# Altium PCB HYDRA_V3_CAMERA.PcbDoc (part 1 of 2)
Units mm, origin at the board's own origin, x right, y up, seen from the top; angles counter-clockwise.
Board outline 50 x 45 mm, 4 copper layers (Top Layer, PWR, GND, Bottom Layer), stack 0.603 mm thick; 137 components, 97 nets, 553 pads, 115 vias.
Unrouted connection lines stored in the file: 170.
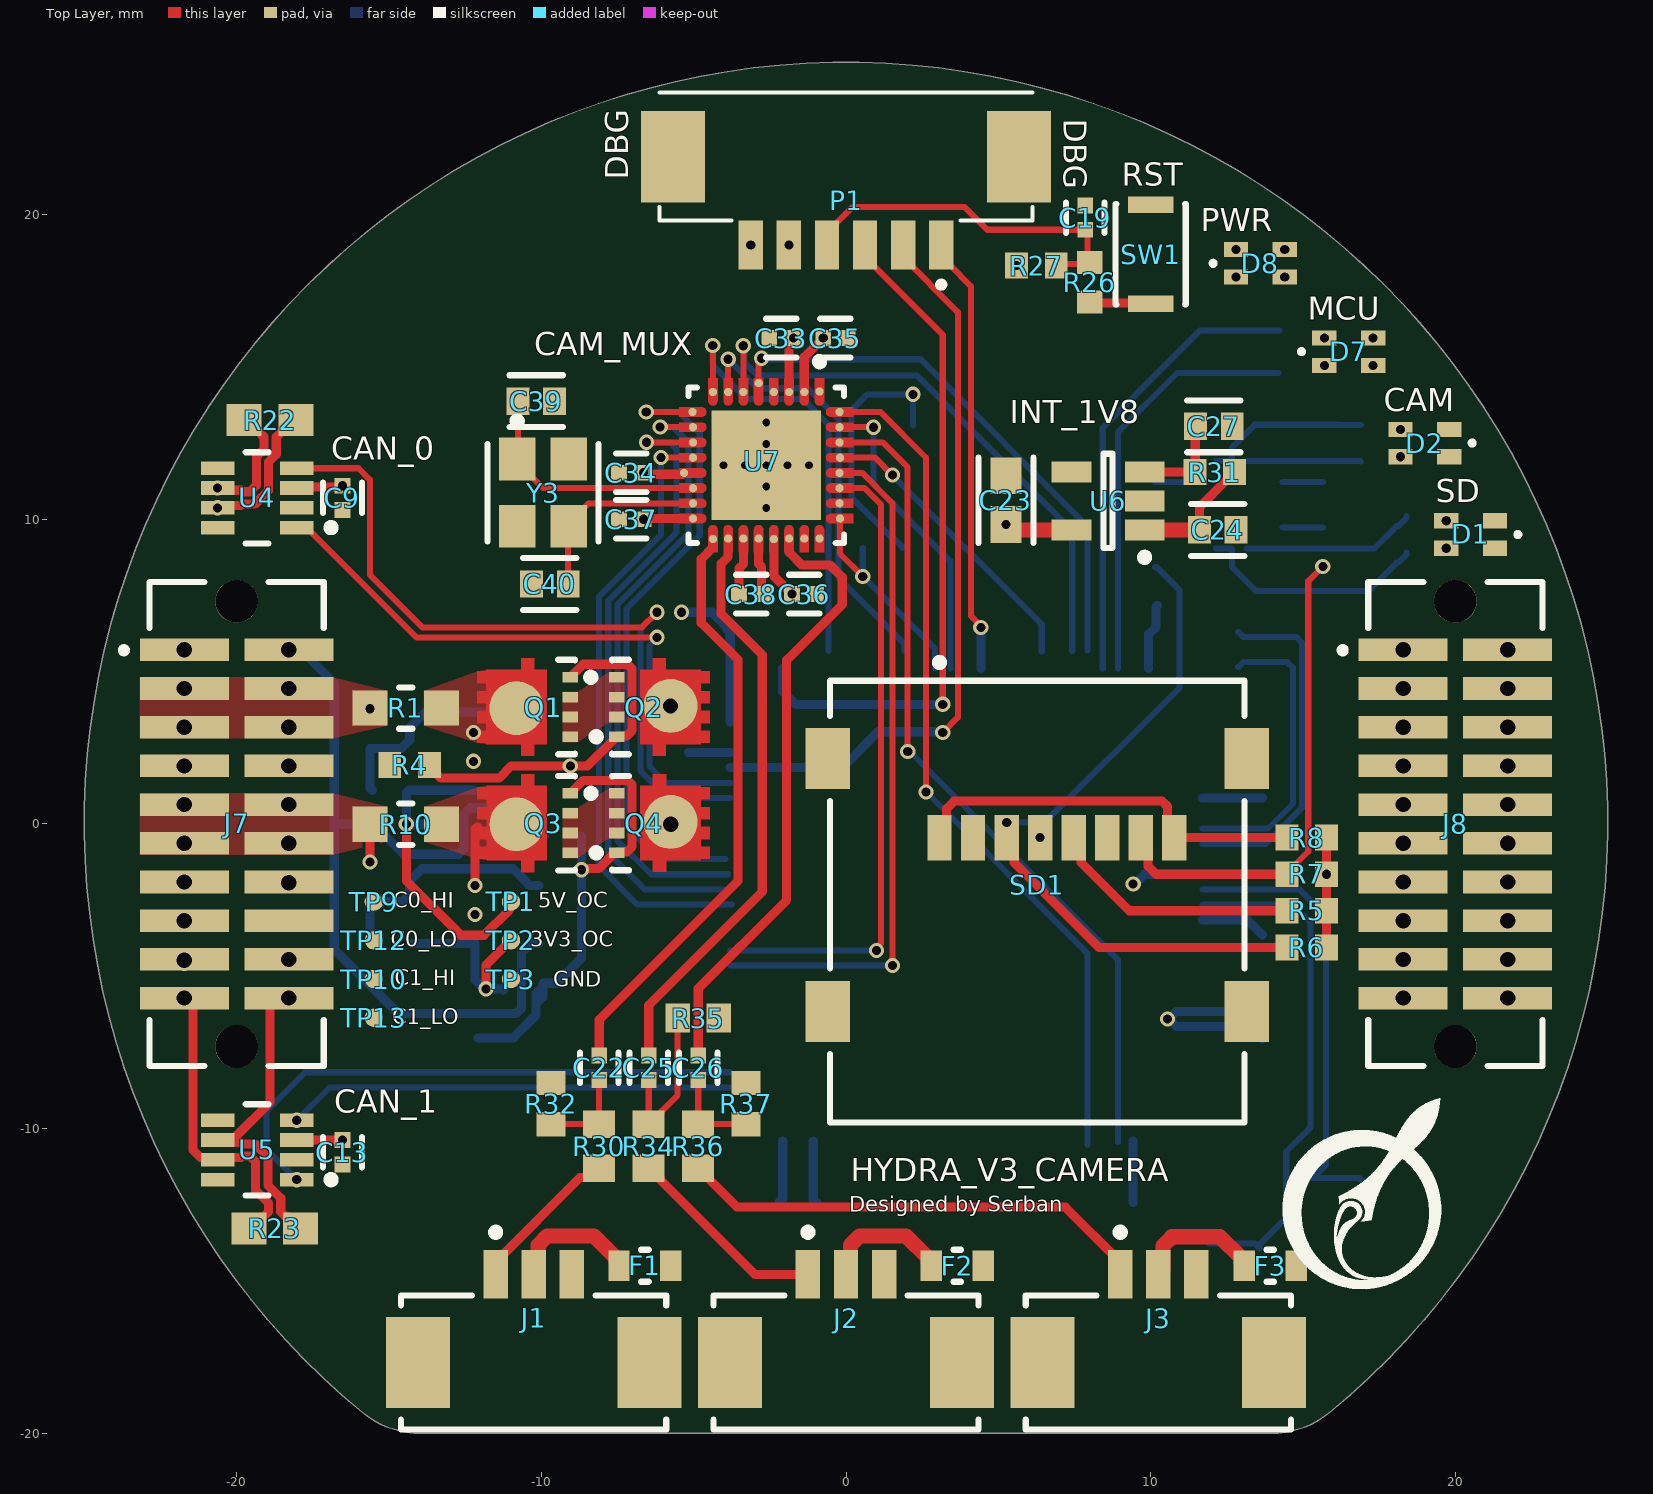
[diagram p0: Top Layer view]
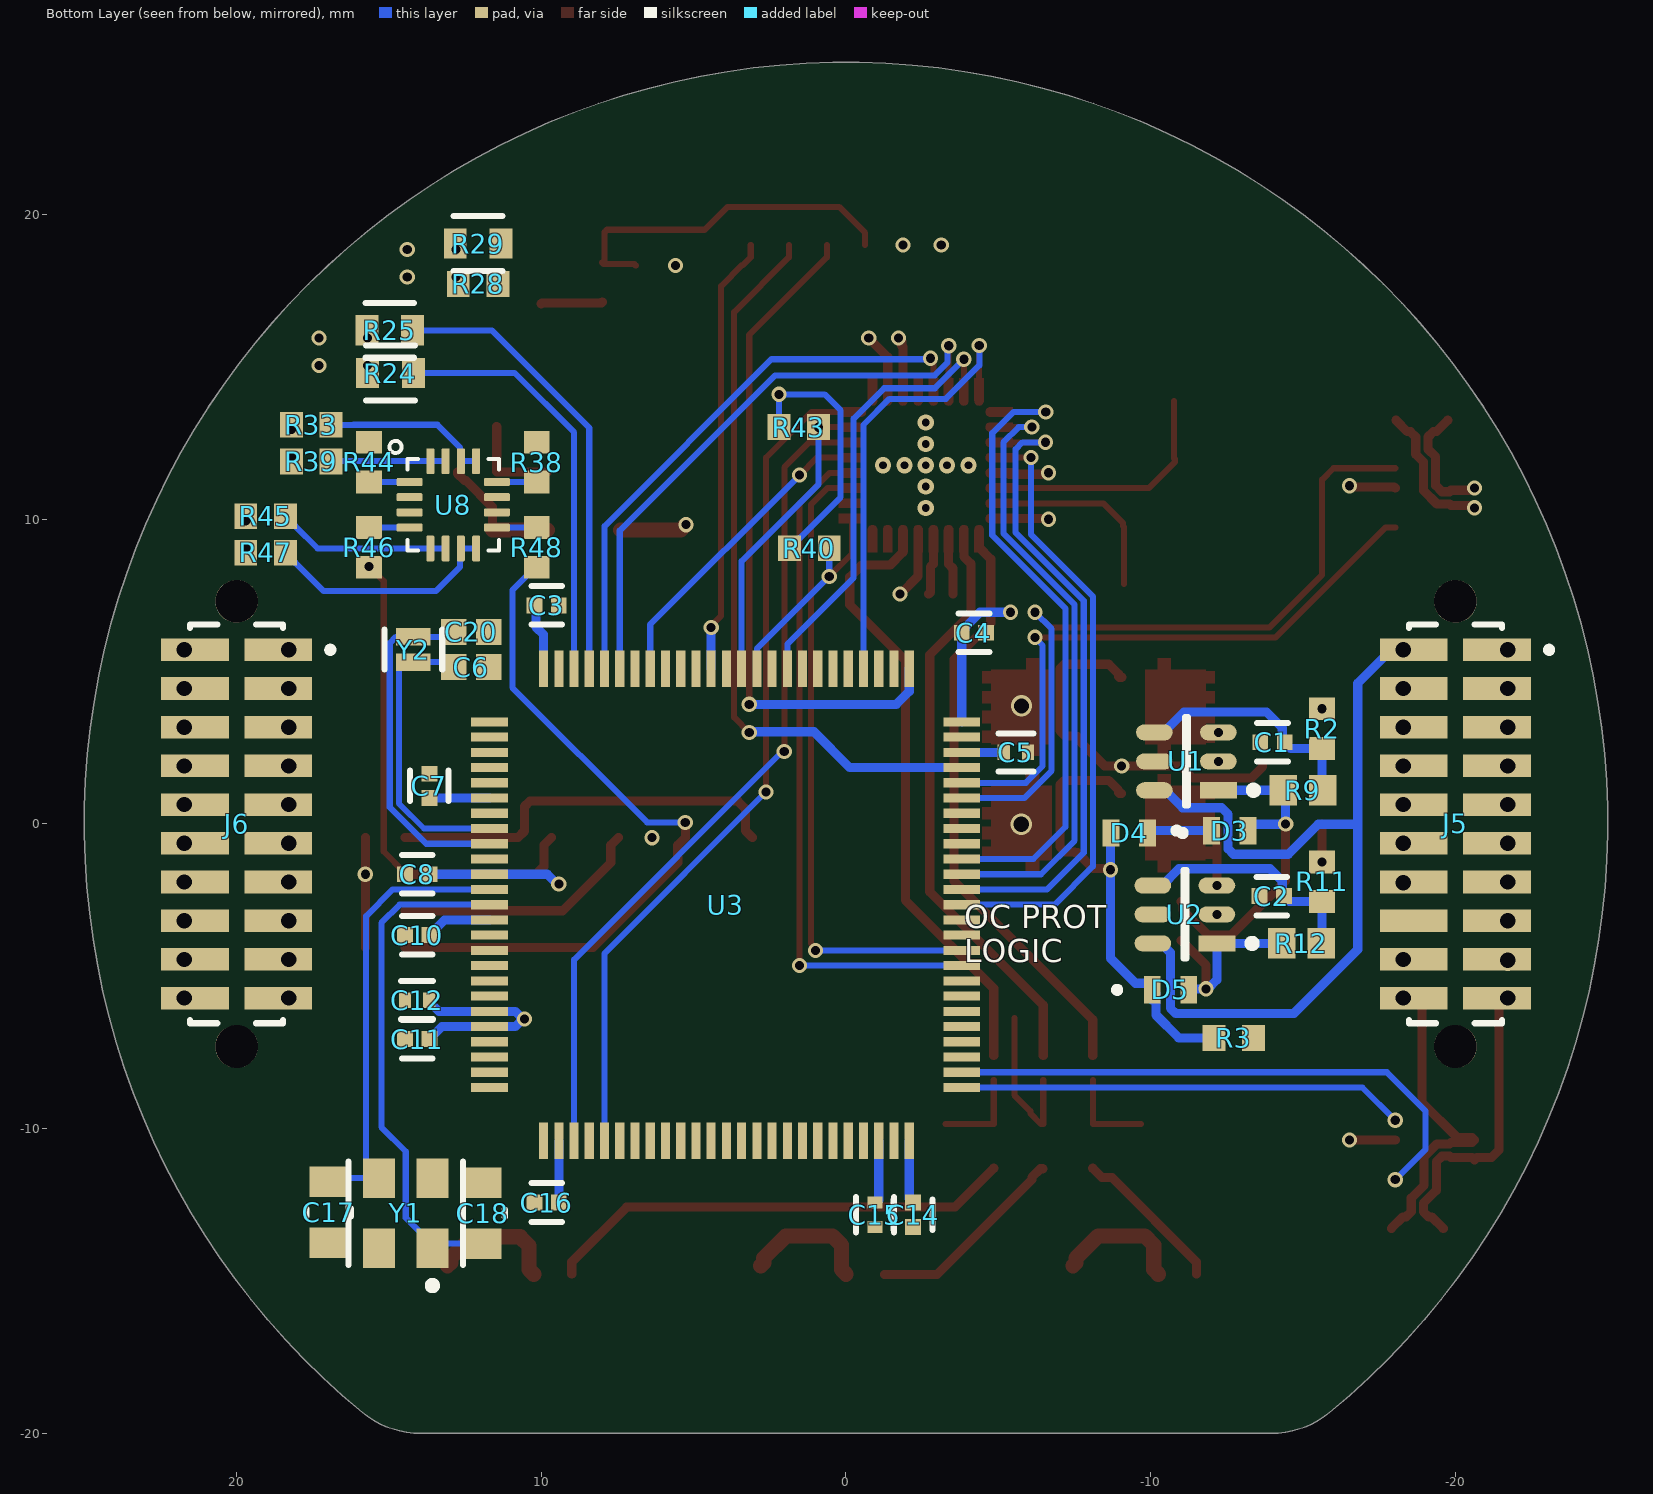
[diagram p1: Bottom Layer view, seen from below]
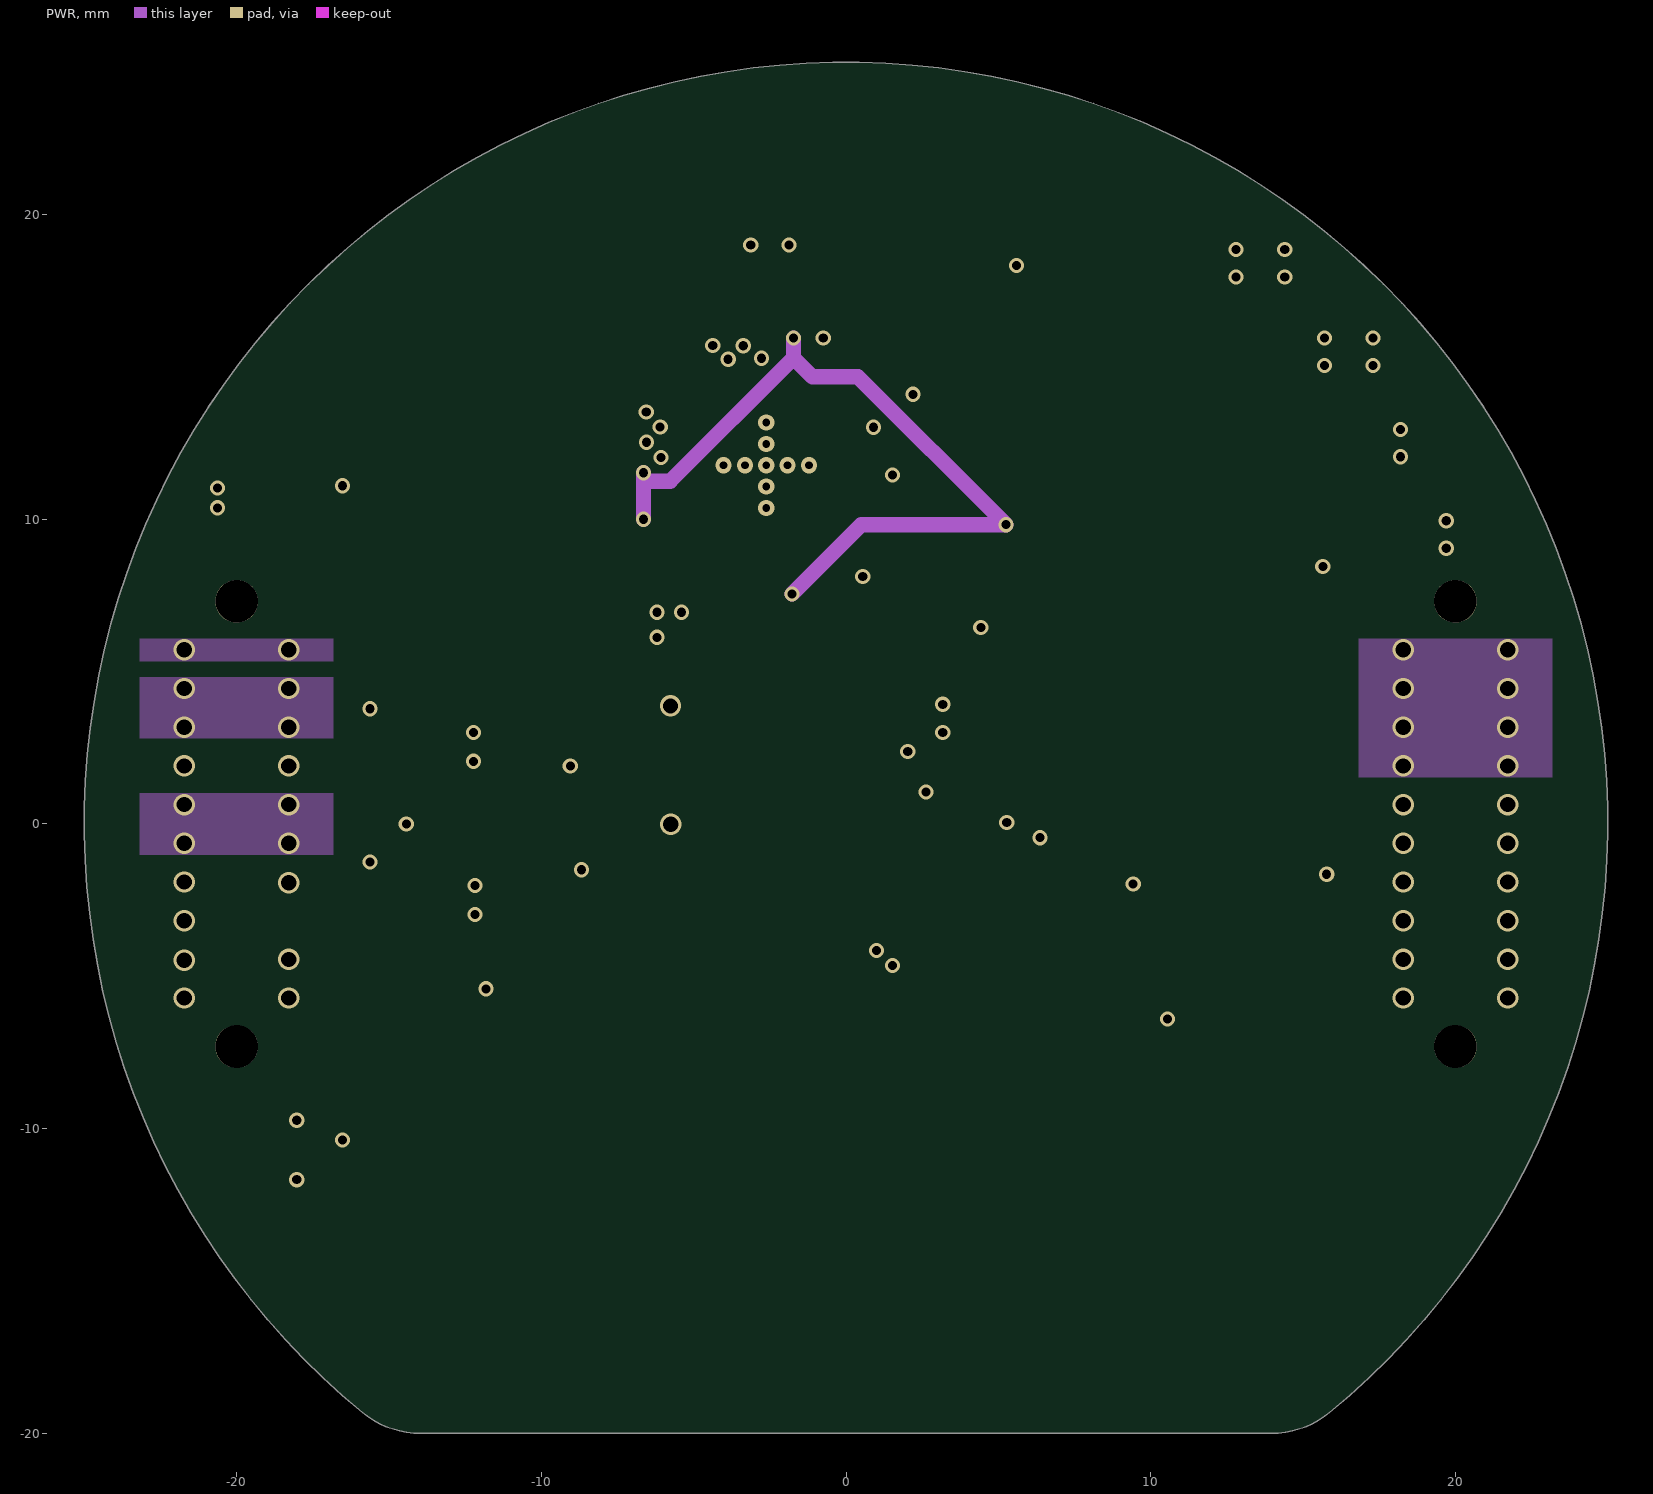
[diagram p2: PWR]

## Layer stack, top to bottom
Top Solder: solder mask 0.0102, Solder Resist, Dk 3.5
Top Layer: signal copper 0.0356
Dielectric 2: prepreg 0.0711, PP-006, Dk 4.1
PWR: signal copper 0.035
Dielectric 1: dielectric 0.32, FR-4, Dk 4.8
GND: signal copper 0.035
Dielectric 3: prepreg 0.0711, PP-006, Dk 4.1
Bottom Layer: signal copper 0.0356
Bottom Solder: solder mask 0.0102, Solder Resist, Dk 3.5

## Board outline
-15.888,-19.298 ccw(c-13.96,-17) -13.96,-20 13.96,-20 ccw(c13.96,-17) 15.888,-19.298 15.868,-19.318 ccw(c0,0)

## Design rules (kind name [scope] priority, off if disabled: settings)
BoardOutlineClearance [All] p1: gap=0.2 ignorepadtopadclearanceinfootprint=FALSE
Clearance [All] p1: gap=0.102 ignorepadtopadclearanceinfootprint=FALSE except(0.127: Arc-Via Track-Via SMDPad-Via THPad-Via Via-Via Via-Fill Via-Poly Via-Region Via-Text; 0.25: Arc-Hole Track-Hole SMDPad-Hole THPad-Hole Via-Hole Fill-Hole Poly-Hole Region-Hole Text-Hole)
ComponentClearance [All] p1: gap=0.102 collisioncheckmode=3 verticalgap=0.102 showdistances=TRUE
DiffPairsRouting [All] p1: maxlimit=0.102 minlimit=0.102 mostfreqgap=0.102 toplayer_minwidth=0.102 toplayer_maxwidth=1816.048 toplayer_prefwidth=0.102 midlayer1_minwidth=0.102 midlayer1_maxwidth=1816.048 midlayer1_prefwidth=0.102 midlayer2_minwidth=0.102 midlayer2_maxwidth=1816.048 midlayer2_prefwidth=0.102 bottomlayer_minwidth=0.102 bottomlayer_maxwidth=1816.048 bottomlayer_prefwidth=0.102 maxuncoupledlength=12.7
Height [All] p1: minheight=0 maxheight=1816.048 prefheight=12.7
HoleSize [All] p1: absolutevalues=TRUE maxlimit=6.3 minlimit=0.2 maxpercent=80.000 minpercent=20.000
HoleToHoleClearance [All] p1: gap=0.25 allowstackedmicrovias=FALSE
MatchedLengths "Pixel port" [InNetClass('PXL_PRT')] p1: tolerance=3 checknetsindiffpair=FALSE checkdiffpairvsdiffpair=TRUE checkxsignals=TRUE checkothers=TRUE usedelayunits=TRUE delaytolerance=100.000000
MinimumAnnularRing [All] p1: minimumring=0.076
MinimumSolderMaskSliver [All] p1: minsoldermaskwidth=0
PlaneClearance [All] p1: clearance=0.102
PlaneConnect PlaneConnectPowerPads [InPadClass('PowerPads')] p1: planeconnectstyle=Direct reliefexpansion=0.508 reliefentries=4 reliefconductorwidth=0.254 reliefairgap=0.254
PlaneConnect [All] p2: pad.planeconnectstyle=Relief pad.reliefexpansion=0.3 pad.reliefentries=4 pad.reliefconductorwidth=0.102 pad.reliefairgap=0.102 via.planeconnectstyle=Direct via.reliefexpansion=0.3 via.reliefentries=4 via.reliefconductorwidth=0.127 via.reliefairgap=0.127
PolygonConnect PolygonConnectPowerPads [All vs (InPadClass('PowerPads'))] p1: connectstyle=Direct reliefconductorwidth=0.254 reliefentries=4 polygonreliefangle="90 Angle" airgapwidth=0.254
PolygonConnect PolygonConnect_PWR [All vs InNetClass('PWR')] p2: connectstyle=Direct reliefconductorwidth=0.102 reliefentries=4 polygonreliefangle="90 Angle" airgapwidth=0.102
PolygonConnect PolygonConnect_STD [All vs InNetClass('STD')] p3: thpad.connectstyle=Relief thpad.reliefconductorwidth=0.102 thpad.reliefentries=4 thpad.polygonreliefangle="90 Angle" thpad.airgapwidth=0.102 smdpad.connectstyle=Relief smdpad.reliefconductorwidth=0.102 smdpad.reliefentries=4 smdpad.polygonreliefangle="90 Angle" smdpad.airgapwidth=0.102 via.connectstyle=Direct via.reliefconductorwidth=0.127 via.reliefentries=4 via.polygonreliefangle="90 Angle" via.airgapwidth=0.127
RoutingVias [All] p1: holewidth=0.2 width=0.45 viastyle="Through Hole" minholewidth=0.2 minwidth=0.45 maxholewidth=6.3 maxwidth=6.55
SilkToSilkClearance [All] p1: silktosilkclearance=0
SilkToSolderMaskClearance [IsPad] p1: minsilkscreentomaskgap=0.102 clearancetoexposedcopper=TRUE
SolderMaskExpansion [All] p1: expansion=0.075 istentingtop=FALSE
Width [All] p1: maxlimit=1816.048 minlimit=0.102 preferedwidth=0.102
20 further rules are at their usual default settings.

## Classes and differential pairs
component class SD: R5 R6 R7 R8 SD1
component class CAMERA_INTERFACE: C22 C23 C24 C25 C26 C27 C28 C29 C30 C31 C32 C33 C34 C35 C36 C37 C38 C39 C40 R30 R31 R32 R34 R35 R36 R37 R40 R43 TP17 U6 U7 Y3
component class OC_PROT: C1 C2 D3 D4 D5 Q1 Q2 Q3 Q4 R1 R2 R3 R4 R9 R10 R11 R12 TP1 TP2 TP3 U1 U2
component class MCU_PINOUT: C3 C4 C5 C6 C7 C8 C9 C10 C11 C12 C13 C14 C15 C16 C17 C18 C19 C20 D1 D2 D7 D8 P1 R13 R14 R15 R16 R17 R18 R19 R20 R21 R22 R23 R24 R25 R26 R27 R28 R29 R33 R38 R39 R44 R45 R46 R47 R48 SW1 TP4 TP5 TP6 TP7 TP8 TP9 TP10 TP11 TP12 TP13 TP14 TP15 TP16 U3 U4 U5 U8 Y1 Y2
component class HYDRA_V3_CAMERA: F1 F2 F3 J1 J2 J3 J5 J6 J7 J8
differential pair XTAL: +XTAL_P -XTAL_N
differential pair VREF: +VREF_P -VREF_N
differential pair CAN1: +CAN1_P -CAN1_N
differential pair CAN0: +CAN0_P -CAN0_N

## Components (designator, comment, footprint, x,y, rotation, side; value= is the part's Value field where it differs from the comment)
C1 "C0402C104K8PACTU" FP-C0402-BB-MFG -13.997,2.68 r0 bottom value="0.10 μF"
C2 "C0402C104K8PACTU" FP-C0402-BB-MFG -13.972,-2.37 r0 bottom value="0.10 μF"
C3 "CC0402JRNPO9BN500" FP-C0402-BB-MFG 9.825,7.175 r0 bottom value="50 pF"
C4 "CC0402JRNPO9BN500" FP-C0402-BB-MFG -4.2,6.275 r0 bottom value="50 pF"
C5 "C1005X7S1A225K050BC" FP-C1005-050-0_15-0_1-MFG -5.575,2.35 r180 bottom
C6 "CC0603JRNPO9BN180" CAPC1608X90X40LL10T20 12.3,5.15 r0 bottom
C7 "CC0402JRNPO9BN500" FP-C0402-BB-MFG 13.675,1.25 r270 bottom value="50 pF"
C8 "CC0402JRNPO9BN500" FP-C0402-BB-MFG 14.075,-1.65 r180 bottom value="50 pF"
C9 "C0402C104K8PACTU" FP-C0402-BB-MFG -16.525,10.7 r90 top value="0.10 μF"
C10 "C0402C104K8PACTU" FP-C0402-BB-MFG 14.075,-3.65 r0 bottom value="0.10 μF"
C11 "CC0402JRNPO9BN500" FP-C0402-BB-MFG 14.075,-7.06 r180 bottom value="50 pF"
C12 "GRM155R71C104KA88D" FP-GRM15-MFG 14.075,-5.785 r180 bottom value=0.10μF
C13 "C0402C104K8PACTU" FP-C0402-BB-MFG -16.525,-10.775 r90 top value="0.10 μF"
C14 "CC0402JRNPO9BN500" FP-C0402-BB-MFG -2.2,-12.825 r90 bottom value="50 pF"
C15 "C1005X7S1A225K050BC" FP-C1005-050-0_15-0_1-MFG -0.95,-12.825 r270 bottom
C16 "CC0402JRNPO9BN500" FP-C0402-BB-MFG 9.825,-12.425 r180 bottom value="50 pF"
C17 "08051A6R8CAT2A" FP-0805-L_2_01_0_2-W_1_25-MFG 16.975,-12.75 r90 bottom
C18 "08051A6R8CAT2A" FP-0805-L_2_01_0_2-W_1_25-MFG 11.925,-12.775 r270 bottom
C19 "C0402C104K8PACTU" FP-C0402-BB-MFG 7.85,19.9 r90 top value="0.10 μF"
C20 "CC0603JRNPO9BN180" CAPC1608X90X40LL10T20 12.3,6.3 r0 bottom
C22 "C0402C104K8PACTU" FP-C0402-BB-MFG -8.1,-8 r270 top value="0.10 μF"
C23 "GRM188R60J106ME47D" FP-GRM188-0_1-e0_2_0_55-IPC_A 5.25,10.625 r90 top
C24 "C0603C475K9PACTU" FP-C0603-CG-MFG 12.2,9.65 r0 top value=4.7uF
C25 "C0402C104K8PACTU" FP-C0402-BB-MFG -6.475,-8 r270 top value="0.10 μF"
C26 "C0402C104K8PACTU" FP-C0402-BB-MFG -4.85,-8 r270 top value="0.10 μF"
C27 "C0603C475K9PACTU" FP-C0603-CG-MFG 12.075,13.05 r0 top value=4.7uF
C28 "CC0603KRX7R9BB103" FP-CC0603-DA-MFG 79.025,52.45 r90 top value="10 nF"
C29 "CC0603KRX7R9BB103" FP-CC0603-DA-MFG 82.05,52.4 r90 top value="10 nF"
C30 "CC0603KRX7R9BB103" FP-CC0603-DA-MFG 99.2,52.475 r90 top value="10 nF"
C31 "CC0603KRX7R9BB103" FP-CC0603-DA-MFG 115.15,52.475 r0 top value="10 nF"
C32 "CC0603KRX7R9BB103" FP-CC0603-DA-MFG 130.925,53 r90 top value="10 nF"
C33 "C0402C104K8PACTU" FP-C0402-BB-MFG -2.121,15.945 r0 top value="0.10 μF"
C34 "C0402C104K8PACTU" FP-C0402-BB-MFG -7.05,11.525 r0 top value="0.10 μF"
C35 "C0402C104K8PACTU" FP-C0402-BB-MFG -0.346,15.945 r180 top value="0.10 μF"
C36 "C0402C104K8PACTU" FP-C0402-BB-MFG -1.376,7.545 r180 top value="0.10 μF"
C37 "C0402C104K8PACTU" FP-C0402-BB-MFG -7.05,10 r0 top value="0.10 μF"
C38 "C0402C104K8PACTU" FP-C0402-BB-MFG -3.111,7.545 r0 top value="0.10 μF"
C39 "C0603C470J1GACTU" FP-C0603C-CF-MFG -10.168,13.876 r0 top value="47 pF"
C40 "C0603C470J1GACTU" FP-C0603C-CF-MFG -9.718,7.876 r180 top value="47 pF"
D1 "150066RG54050" WL-SBCD_0606 20.5,9.5 r270 top
D2 "150066RG54050" WL-SBCD_0606 19,12.5 r270 top
D3 "TS4148RCG" TS4148RCG-Footprint-1 -12.597,-0.22 r180 bottom
D4 "TS4148RCG" TS4148RCG-Footprint-1 -9.297,-0.298 r0 bottom
D5 "TS4148RCG" TS4148RCG-Footprint-1 -10.647,-5.445 r180 bottom
D7 "150066RG54050" WL-SBCD_0606 16.5,15.5 r90 top
D8 "150066RG54050" WL-SBCD_0606 13.6,18.4 r90 top locked
F1 "MF-FSMF050X-2" FP-MF-FSMF-MFG -6.6,-14.5 r0 top value=0.1-0.8Ω
F2 "MF-FSMF050X-2" FP-MF-FSMF-MFG 3.65,-14.5 r0 top value=0.1-0.8Ω
F3 "MF-FSMF050X-2" FP-MF-FSMF-MFG 13.925,-14.5 r0 top value=0.1-0.8Ω
J1 "53261-0371" FP-53261-0371-MFG -10.25,-17.675 r0 top
J2 "53261-0371" FP-53261-0371-MFG 0,-17.675 r0 top
J3 "53261-0371" FP-53261-0371-MFG 10.25,-17.675 r0 top
J5 "SFML-110-02-L-D-A" SFML-110-02-L-D-A-Footprint-1 -20,0 r270 bottom
J6 "SFML-110-02-L-D-A" SFML-110-02-L-D-A-Footprint-1 20,0 r270 bottom
J7 "TFML-110-02-L-D-A" TFML-110-02-L-D-A-Footprint-1 -20,0 r270 top
J8 "TFML-110-02-L-D-A" TFML-110-02-L-D-A-Footprint-1 20,0 r270 top
P1 "0532610671" 0532610671-Footprint-1 0,19 r180 top locked
Q1 "SISH615ADN-T1-GE3" SISH615ADN-T1-GE3-Footprint-1 -10.45,3.8 r90 top
Q2 "SISH615ADN-T1-GE3" SISH615ADN-T1-GE3-Footprint-1 -6.125,3.875 r270 top
Q3 "SISH615ADN-T1-GE3" SISH615ADN-T1-GE3-Footprint-1 -10.447,-0.01 r90 top
Q4 "SISH615ADN-T1-GE3" SISH615ADN-T1-GE3-Footprint-1 -6.122,0.068 r270 top
R1 "ERJ-6DSFR10V" FP-ERJ6D-MFG -14.45,3.8 r0 top
R2 "ERJ3EKF1002V" RESC1609X55X30LL15T15 -15.622,3.13 r90 bottom
R3 "ERJ3EKF1002V" RESC1609X55X30LL15T15 -12.722,-7.02 r0 bottom
R4 "ERJ3EKF1002V" RESC1609X55X30LL15T15 -14.322,1.93 r0 top
R5 "ERJ3EKF1002V" RESC1609X55X30LL15T15 15.125,-2.85 r0 top
R6 "ERJ3EKF1002V" RESC1609X55X30LL15T15 15.125,-4.05 r0 top
R7 "ERJ3EKF1002V" RESC1609X55X30LL15T15 15.125,-1.65 r0 top
R8 "ERJ3EKF1002V" RESC1609X55X30LL15T15 15.125,-0.45 r0 top
R9 "RT0603BRD071ML" RESC1608X55X30NL20T20 -14.997,1.105 r180 bottom
R10 "ERJ-6DSFR10V" FP-ERJ6D-MFG -14.447,-0.01 r0 top
R11 "ERJ3EKF1002V" RESC1609X55X30LL15T15 -15.623,-1.895 r90 bottom
R12 "RT0603BRD071ML" RESC1608X55X30NL20T20 -14.948,-3.92 r180 bottom
R13 "ERJ3EKF1002V" RESC1609X55X30LL15T15 85.225,17.825 r90 top
R14 "ERJ3EKF1002V" RESC1609X55X30LL15T15 102.025,19.8 r90 top
R15 "ERJ-3EKF1003V" RESC1608X55X30ML15T15 113.925,18.3 r90 top
R16 "ERJ-3EKF1003V" RESC1608X55X30ML15T15 127.475,19.25 r90 top
R17 "ERJ3EKF1002V" RESC1609X55X30LL15T15 143.45,14 r90 top
R18 "ERJ3EKF1002V" RESC1609X55X30LL15T15 62.7,1.55 r90 top
R19 "ERJ3EKF1002V" RESC1609X55X30LL15T15 101.8,12.1 r90 top
R20 "ERJ3EKF1002V" RESC1609X55X30LL15T15 113.7,11.825 r0 top
R21 "ERJ3EKF1002V" RESC1609X55X30LL15T15 126.8,11.3 r0 top
R22 "ERJ-3EKF1200V" RESC1609X55X30ML15T15 -18.9,13.25 r0 top
R23 "ERJ-3EKF1200V" RESC1609X55X30ML15T15 -18.75,-13.275 r180 top
R24 "CRCW060351R0FKEA" FP-CRCW0603-e3-MFG 14.95,14.8 r180 bottom
R25 "CRCW060351R0FKEA" FP-CRCW0603-e3-MFG 14.975,16.2 r180 bottom
R26 "ERJ-3EKF3300V" RESC1608X55X30LL15T15 8,17.775 r270 top
R27 "ERJ3EKF1002V" RESC1609X55X30LL15T15 6.25,18.325 r0 top
R28 "ERJ-3EKF3300V" RESC1608X55X30LL15T15 12.075,17.725 r180 bottom
R29 "CRCW060351R0FKEA" FP-CRCW0603-e3-MFG 12.075,19.05 r180 bottom
R30 "ERJ-3EKF24R0V" RESC1608X55X30ML15T15 -8.1,-10.575 r90 top
R31 "ERJ3EKF1002V" RESC1609X55X30LL15T15 12.1,11.55 r180 top
R32 "ERJ3EKF51R0V" RESC1608X55X30NL15T15 -9.675,-9.175 r270 top
R33 "ERJ-3EKF3300V" RESC1608X55X30LL15T15 17.55,13.1 r0 bottom
R34 "ERJ-3EKF24R0V" RESC1608X55X30ML15T15 -6.475,-10.575 r90 top
R35 "ERJ3EKF51R0V" RESC1608X55X30NL15T15 -4.85,-6.375 r180 top
R36 "ERJ-3EKF24R0V" RESC1608X55X30ML15T15 -4.85,-10.575 r90 top
R37 "ERJ3EKF51R0V" RESC1608X55X30NL15T15 -3.275,-9.175 r270 top
R38 "ERJ3EKF1002V" RESC1609X55X30LL15T15 10.15,11.875 r270 bottom
R39 "ERJ-3EKF3300V" RESC1608X55X30LL15T15 17.55,11.9 r0 bottom
R40 "ERJ3EKF1002V" RESC1609X55X30LL15T15 1.2,9.05 r0 bottom
R43 "ERJ3EKF1002V" RESC1609X55X30LL15T15 1.55,13.022 r0 bottom
R44 "ERJ3EKF1002V" RESC1609X55X30LL15T15 15.65,11.875 r90 bottom
R45 "ERJ-3EKF3300V" RESC1608X55X30LL15T15 19.05,10.1 r0 bottom
R46 "ERJ3EKF1002V" RESC1609X55X30LL15T15 15.65,9.075 r90 bottom
R47 "ERJ-3EKF3300V" RESC1608X55X30LL15T15 19.05,8.9 r0 bottom
R48 "ERJ3EKF1002V" RESC1609X55X30LL15T15 10.15,9.075 r270 bottom
SD1 "47219-2001" MOLX-47219-2001-8_V 6.275,-2 r0 top
SW1 "KXT331LHS" FP-KXT331LHS-MFG 10,18.7 r90 top locked
TP1 "TPAD6R" TP06R#1 -10.997,-2.55 r90 top
TP2 "TPAD6R" TP06R#2 -11.06,-3.82 r90 top
TP3 "TPAD6R" TP06R#3 -10.86,-5.09 r90 top
TP4 "TPAD6R" TP06R#1 23.05,47.5 r90 top
TP5 "TPAD6R" TP06R#1 29.001,47.5 r90 top
TP6 "TPAD6R" TP06R#1 34.976,47.5 r90 top
TP7 "TPAD6R" TP06R#1 32.225,34.25 r90 top
TP8 "TPAD6R" TP06R#1 17.1,47.5 r90 top
TP9 "TPAD6R" TP06R#4 -28.372,-2.55 r90 top
TP10 "TPAD6R" TP06R#5 -29.722,-5.09 r90 top
TP11 "TPAD6R" TP06R#1 25.612,35.213 r90 top
TP12 "TPAD6R" TP06R#6 -15.647,-3.82 r90 top
TP13 "TPAD6R" TP06R#7 -41.736,-6.36 r90 top
TP14 "TPAD6R" TP06R#1 18.387,35.213 r90 top
TP15 "TPAD6R" TP06R#1 11.162,35.213 r90 top
TP16 "TPAD6R" TP06R#1 9.875,47.5 r90 top
TP17 "TPAD6R" TP06R#1 15.7,45.675 r90 top
U1 "TLV1805DBVR" FP-DBV0006A-IPC_C -11.172,2.055 r0 bottom
U2 "TLV1805DBVR" FP-DBV0006A-IPC_C -11.122,-2.97 r0 bottom
U3 "STM32H733VGT6" STM32H733VGT6-Footprint-1 3.95,-2.65 r180 bottom
U4 "TCAN330GDCNR" FP-DCN0008A-MFG -19.325,10.7 r180 top
U5 "TCAN330GDCNR" FP-DCN0008A-MFG -19.325,-10.7 r180 top
U6 "MCP1824T-1802E/OT" SOT-23-OT5_M 8.6,10.6 r180 top
U7 "ADV7280WBCPZ" FP-CP-32-12-MFG -2.618,11.772 r270 top
U8 "LM2902Q4T" LM2902Q4T-Footprint-1 12.89,10.475 r180 bottom
Y1 "ABM8-48.000MHZ-B2-T" FP-ABM8-MFG 14.45,-12.775 r90 bottom
Y2 "ECS-.327-12.5-1210-TR" FP-ECX-1210-MFG 14.2,5.725 r90 bottom
Y3 "ABM8G-28.63636MHZ-18-D2Y-T" FP-ABM8G-MFG -9.943,10.876 r270 top

## Footprints (in the part's own frame and the unit in brackets; to place one, negate y for a bottom-side part, rotate by r counter-clockwise, add the part's x,y. Pads: shape width x height; smd on the part's side, far side on the other; paste and mask are expansions set on the pad)
0532610671-Footprint-1 [mm]
  rect 0.8x1.6 smd: 1(-3.125,0) 2(-1.875,0) 3(-0.625,0) 4(0.625,0) 5(1.875,0) 6(3.125,0)
  rect 2.1x3 smd: S1(-5.675,-2.9) S2(5.675,-2.9)
  silkscreen extent -6.12,-5 6.12,1.4
CAPC1608X90X40LL10T20 [mm] "Chip Capacitor, 2-Leads, Body 1.7x0.9mm, IPC High Density"
  rect 0.85x0.85 smd: 1(-0.575,0) 2(0.575,0)
  body extent -0.85,-0.45 0.85,0.45, height 0.9
FP-0805-L_2_01_0_2-W_1_25-MFG [mm]
  rect 1x1.25 smd paste+0 mask+0: 1(-1,0) 2(1,0)
  silkscreen extent -0.13,-0.72 0.13,0.72, body extent -1,-0.63 1,0.63, height 0.94
FP-53261-0371-MFG [mm]
  rect 0.8x1.6 smd paste+0 mask+0: 1(-1.25,2.9) 2(0,2.9) 3(1.25,2.9)
  rect 2.1x3 smd paste+0 mask+0: 4(-3.8,0) 5(3.8,0)
  silkscreen extent -4.35,-2.2 4.35,4.4, body extent -4.95,-2.3 4.95,3.8, height 0.25
FP-ABM8-MFG [mm]
  rect 1.3x1.05 smd paste+0 mask+0: 1(-1.15,-0.875) 2(1.15,-0.875) 3(1.15,0.875) 4(-1.15,0.875)
  silkscreen extent -2.5,-1.88 1.7,1.88, body extent -1.6,-1.25 1.6,1.25, height 0.8
FP-ABM8G-MFG [mm]
  rect 1.4x1.2 smd paste+0 mask+0: 1(-1.1,-0.85) 2(1.1,-0.85) 3(1.1,0.85) 4(-1.1,0.85)
  silkscreen extent -2.47,-1.83 1.6,1.83, body extent -1.9,-1.55 1.9,1.55, height 0.25
FP-C0402-BB-MFG [mm]
  rect 0.52x0.52 smd paste+0 mask+0: 1(-0.4,0) 2(0.4,0)
  silkscreen extent -0.5,-0.64 0.5,0.64, body extent -0.5,-0.25 0.5,0.25, height 0.55
FP-C0603-CG-MFG [mm]
  rect 0.75x0.9 smd paste+0 mask+0: 1(-0.6,0) 2(0.6,0)
  silkscreen extent -0.87,-0.85 0.87,0.85, body extent -0.8,-0.4 0.8,0.4, height 0.9
FP-C0603C-CF-MFG [mm]
  rect 0.75x0.9 smd paste+0 mask+0: 1(-0.6,0) 2(0.6,0)
  silkscreen extent -0.87,-0.85 0.88,0.85, body extent -1.2,-0.6 1.2,0.6, height 0.25
FP-C1005-050-0_15-0_1-MFG [mm]
  rect 0.4x0.5 smd paste+0 mask+0: 1(-0.4,0) 2(0.4,0)
  silkscreen extent -0.58,-0.63 0.58,0.63, body extent -0.5,-0.25 0.5,0.25, height 0.65
FP-CC0603-DA-MFG [mm]
  rect 0.8x0.9 smd paste+0 mask+0: 1(-0.75,0) 2(0.75,0)
  silkscreen extent -0.85,-0.85 0.85,0.85, body extent -1.35,-0.75 1.35,0.75, height 0.25
FP-CP-32-12-MFG [mm]
  round 0.274 smd paste+0 mask+0: 1(-2.421,1.75) 2(-2.405,1.25) 3(-2.405,0.75) 4(-2.405,0.25) 5(-2.698,-0.25) 6(-2.405,-0.75) 7(-2.405,-1.25) 8(-2.405,-1.75) 9(-1.75,-2.421) 10(-1.25,-2.405) 11(-0.75,-2.405) 12(-0.25,-2.405) 13(0.25,-2.698) 14(0.75,-2.405) 15(1.25,-2.405) 16(1.75,-2.405) 17(2.421,-1.75) 18(2.405,-1.25) 19(2.405,-0.75) 20(2.405,-0.25) 21(2.421,0.25) 22(2.405,0.75) 23(2.405,1.25) 24(2.405,1.75) 25(1.75,2.421) 26(1.25,2.405) 27(0.75,2.405) 28(0.25,2.405) 29(-0.25,2.421) 30(-0.75,2.405) 31(-1.25,2.405) 32(-1.75,2.405)
  rect 3.6x3.6 smd paste-1000 mask+0: 33(0,0)
  Top Layer region: -1.598,2.85 -1.598,2.113 -1.61,2.055 -1.643,2.006 -1.692,1.973 -1.75,1.961 -1.75,1.961 -1.808,1.973 -1.857,2.006 -1.89,2.055 -1.902,2.113 -1.902,2.113 -1.902,2.85
  Top Layer region: -1.098,2.85 -1.098,2.113 -1.11,2.055 -1.143,2.006 -1.192,1.973 -1.25,1.961 -1.25,1.961 -1.308,1.973 -1.357,2.006 -1.39,2.055 -1.402,2.113 -1.402,2.113 -1.402,2.85
  Top Layer region: -0.598,2.85 -0.598,2.113 -0.61,2.055 -0.643,2.006 -0.692,1.973 -0.75,1.961 -0.75,1.961 -0.808,1.973 -0.857,2.006 -0.89,2.055 -0.902,2.113 -0.902,2.113 -0.902,2.85
  Top Layer region: -0.098,2.85 -0.098,2.113 -0.11,2.055 -0.143,2.006 -0.192,1.973 -0.25,1.961 -0.25,1.961 -0.308,1.973 -0.357,2.006 -0.39,2.055 -0.402,2.113 -0.402,2.113 -0.402,2.85
  Top Layer region: 0.402,2.85 0.402,2.113 0.39,2.055 0.357,2.006 0.308,1.973 0.25,1.961 0.25,1.961 0.192,1.973 0.143,2.006 0.11,2.055 0.098,2.113 0.098,2.113 0.098,2.85
  Top Layer region: 0.902,2.85 0.902,2.113 0.89,2.055 0.857,2.006 0.808,1.973 0.75,1.961 0.75,1.961 0.692,1.973 0.643,2.006 0.61,2.055 0.598,2.113 0.598,2.113 0.598,2.85
  Top Layer region: 1.402,2.85 1.402,2.113 1.39,2.055 1.357,2.006 1.308,1.973 1.25,1.961 1.25,1.961 1.192,1.973 1.143,2.006 1.11,2.055 1.098,2.113 1.098,2.113 1.098,2.85
  Top Layer region: 1.902,2.85 1.902,2.113 1.89,2.055 1.857,2.006 1.808,1.973 1.75,1.961 1.75,1.961 1.692,1.973 1.643,2.006 1.61,2.055 1.598,2.113 1.598,2.113 1.598,2.85
  Top Layer region: 1.598,-2.85 1.598,-2.113 1.61,-2.055 1.643,-2.006 1.692,-1.973 1.75,-1.961 1.75,-1.961 1.808,-1.973 1.857,-2.006 1.89,-2.055 1.902,-2.113 1.902,-2.113 1.902,-2.85
  Top Layer region: 1.098,-2.85 1.098,-2.113 1.11,-2.055 1.143,-2.006 1.192,-1.973 1.25,-1.961 1.25,-1.961 1.308,-1.973 1.357,-2.006 1.39,-2.055 1.402,-2.113 1.402,-2.113 1.402,-2.85
  Top Layer region: 0.598,-2.85 0.598,-2.113 0.61,-2.055 0.643,-2.006 0.692,-1.973 0.75,-1.961 0.75,-1.961 0.808,-1.973 0.857,-2.006 0.89,-2.055 0.902,-2.113 0.902,-2.113 0.902,-2.85
  Top Layer region: 0.098,-2.85 0.098,-2.113 0.11,-2.055 0.143,-2.006 0.192,-1.973 0.25,-1.961 0.25,-1.961 0.308,-1.973 0.357,-2.006 0.39,-2.055 0.402,-2.113 0.402,-2.113 0.402,-2.85
  Top Layer region: -0.402,-2.85 -0.402,-2.113 -0.39,-2.055 -0.357,-2.006 -0.308,-1.973 -0.25,-1.961 -0.25,-1.961 -0.192,-1.973 -0.143,-2.006 -0.11,-2.055 -0.098,-2.113 -0.098,-2.113 -0.098,-2.85
  Top Layer region: -0.902,-2.85 -0.902,-2.113 -0.89,-2.055 -0.857,-2.006 -0.808,-1.973 -0.75,-1.961 -0.75,-1.961 -0.692,-1.973 -0.643,-2.006 -0.61,-2.055 -0.598,-2.113 -0.598,-2.113 -0.598,-2.85
  Top Layer region: -1.402,-2.85 -1.402,-2.113 -1.39,-2.055 -1.357,-2.006 -1.308,-1.973 -1.25,-1.961 -1.25,-1.961 -1.192,-1.973 -1.143,-2.006 -1.11,-2.055 -1.098,-2.113 -1.098,-2.113 -1.098,-2.85
  Top Layer region: -1.902,-2.85 -1.902,-2.113 -1.89,-2.055 -1.857,-2.006 -1.808,-1.973 -1.75,-1.961 -1.75,-1.961 -1.692,-1.973 -1.643,-2.006 -1.61,-2.055 -1.598,-2.113 -1.598,-2.113 -1.598,-2.85
  Top Layer region: 2.85,1.598 2.113,1.598 2.055,1.61 2.006,1.643 1.973,1.692 1.961,1.75 1.961,1.75 1.973,1.808 2.006,1.857 2.055,1.89 2.113,1.902 2.113,1.902 2.85,1.902
  Top Layer region: 2.85,1.098 2.113,1.098 2.055,1.11 2.006,1.143 1.973,1.192 1.961,1.25 1.961,1.25 1.973,1.308 2.006,1.357 2.055,1.39 2.113,1.402 2.113,1.402 2.85,1.402
  Top Layer region: 2.85,0.598 2.113,0.598 2.055,0.61 2.006,0.643 1.973,0.692 1.961,0.75 1.961,0.75 1.973,0.808 2.006,0.857 2.055,0.89 2.113,0.902 2.113,0.902 2.85,0.902
  Top Layer region: 2.85,0.098 2.113,0.098 2.055,0.11 2.006,0.143 1.973,0.192 1.961,0.25 1.961,0.25 1.973,0.308 2.006,0.357 2.055,0.39 2.113,0.402 2.113,0.402 2.85,0.402
  Top Layer region: 2.85,-0.402 2.113,-0.402 2.055,-0.39 2.006,-0.357 1.973,-0.308 1.961,-0.25 1.961,-0.25 1.973,-0.192 2.006,-0.143 2.055,-0.11 2.113,-0.098 2.113,-0.098 2.85,-0.098
  Top Layer region: 2.85,-0.902 2.113,-0.902 2.055,-0.89 2.006,-0.857 1.973,-0.808 1.961,-0.75 1.961,-0.75 1.973,-0.692 2.006,-0.643 2.055,-0.61 2.113,-0.598 2.113,-0.598 2.85,-0.598
  Top Layer region: 2.85,-1.402 2.113,-1.402 2.055,-1.39 2.006,-1.357 1.973,-1.308 1.961,-1.25 1.961,-1.25 1.973,-1.192 2.006,-1.143 2.055,-1.11 2.113,-1.098 2.113,-1.098 2.85,-1.098
  Top Layer region: 2.85,-1.902 2.113,-1.902 2.055,-1.89 2.006,-1.857 1.973,-1.808 1.961,-1.75 1.961,-1.75 1.973,-1.692 2.006,-1.643 2.055,-1.61 2.113,-1.598 2.113,-1.598 2.85,-1.598
  Top Layer region: -2.85,-1.598 -2.113,-1.598 -2.055,-1.61 -2.006,-1.643 -1.973,-1.692 -1.961,-1.75 -1.961,-1.75 -1.973,-1.808 -2.006,-1.857 -2.055,-1.89 -2.113,-1.902 -2.113,-1.902 -2.85,-1.902
  Top Layer region: -2.85,-1.098 -2.113,-1.098 -2.055,-1.11 -2.006,-1.143 -1.973,-1.192 -1.961,-1.25 -1.961,-1.25 -1.973,-1.308 -2.006,-1.357 -2.055,-1.39 -2.113,-1.402 -2.113,-1.402 -2.85,-1.402
  Top Layer region: -2.85,-0.598 -2.113,-0.598 -2.055,-0.61 -2.006,-0.643 -1.973,-0.692 -1.961,-0.75 -1.961,-0.75 -1.973,-0.808 -2.006,-0.857 -2.055,-0.89 -2.113,-0.902 -2.113,-0.902 -2.85,-0.902
  Top Layer region: -2.85,-0.098 -2.113,-0.098 -2.055,-0.11 -2.006,-0.143 -1.973,-0.192 -1.961,-0.25 -1.961,-0.25 -1.973,-0.308 -2.006,-0.357 -2.055,-0.39 -2.113,-0.402 -2.113,-0.402 -2.85,-0.402
  Top Layer region: -2.85,0.402 -2.113,0.402 -2.055,0.39 -2.006,0.357 -1.973,0.308 -1.961,0.25 -1.961,0.25 -1.973,0.192 -2.006,0.143 -2.055,0.11 -2.113,0.098 -2.113,0.098 -2.85,0.098
  Top Layer region: -2.85,0.902 -2.113,0.902 -2.055,0.89 -2.006,0.857 -1.973,0.808 -1.961,0.75 -1.961,0.75 -1.973,0.692 -2.006,0.643 -2.055,0.61 -2.113,0.598 -2.113,0.598 -2.85,0.598
  Top Layer region: -2.85,1.402 -2.113,1.402 -2.055,1.39 -2.006,1.357 -1.973,1.308 -1.961,1.25 -1.961,1.25 -1.973,1.192 -2.006,1.143 -2.055,1.11 -2.113,1.098 -2.113,1.098 -2.85,1.098
  Top Layer region: -2.85,1.902 -2.113,1.902 -2.055,1.89 -2.006,1.857 -1.973,1.808 -1.961,1.75 -1.961,1.75 -1.973,1.692 -2.006,1.643 -2.055,1.61 -2.113,1.598 -2.113,1.598 -2.85,1.598
  silkscreen extent -3.52,-2.55 2.55,2.55, body extent -2.95,-2.95 2.95,2.95, height 0.25
FP-CRCW0603-e3-MFG [mm]
  rect 0.75x1 smd paste+0 mask+0: 1(-0.75,0) 2(0.75,0)
  silkscreen extent -0.8,-0.9 0.8,0.9, body extent -0.77,-0.43 0.77,0.43, height 0.5
FP-DBV0006A-IPC_C [mm]
  rect 1.205x0.53 smd paste+0 mask+0: 1(-1.05,0.95)
  rrect100% 1.205x0.53 smd paste+0 mask+0: 2(-1.05,0) 3(-1.05,-0.95) 4(1.05,-0.95) 5(1.05,0) 6(1.05,0.95)
  silkscreen extent -2.33,-1.45 0.05,1.45, body extent -1.4,-1.45 1.4,1.45, height 1.45
FP-DCN0008A-MFG [mm]
  rect 1.1x0.45 smd paste+0 mask+0: 1(-1.3,0.975) 2(-1.3,0.325) 3(-1.3,-0.325) 4(-1.3,-0.975) 5(1.3,-0.975) 6(1.3,-0.325) 7(1.3,0.325) 8(1.3,0.975)
  silkscreen extent -2.55,-1.5 0.38,1.5, body extent -1.95,-1.85 1.95,1.85, height 0.25
FP-ECX-1210-MFG [mm]
  rect 0.575x1.14 smd paste+0 mask+0: 1(-0.413,0) 2(0.413,0)
  silkscreen extent -0.65,-0.95 0.65,0.95, body extent -0.6,-0.5 0.6,0.5, height 0.5
FP-ERJ6D-MFG [mm]
  rect 1.15x1.15 smd paste+0 mask+0: 1(-1.175,0) 2(1.175,0)
  silkscreen extent -0.23,-0.67 0.23,0.67, body extent -1.85,-0.77 1.85,0.77, height 0.25
FP-GRM15-MFG [mm]
  rect 0.4x0.5 smd paste+0 mask+0: 1(-0.4,0) 2(0.4,0)
  silkscreen extent -0.53,-0.63 0.53,0.63, body extent -0.3,-0.16 0.3,0.16, height 0.33
FP-GRM188-0_1-e0_2_0_55-IPC_A [mm]
  rect 1.208x1.012 smd paste+0 mask+0: 1(-0.802,0) 2(0.802,0)
  silkscreen extent -1.41,-0.91 1.41,0.91, body extent -0.8,-0.4 0.8,0.4, height 0.9
FP-KXT331LHS-MFG [mm]
  rect 0.55x1.5 smd paste+0 mask+0: 1(-1.625,0) 2(1.625,0)
  silkscreen extent -1.65,-1.15 1.65,1.15, body extent -2,-1.25 2,1.25, height 0.25
FP-MF-FSMF-MFG [mm]
  rect 0.7x1 smd paste+0 mask+0: 1(-0.85,0) 2(0.85,0)
  silkscreen extent -0.13,-0.53 0.13,0.53, body extent -1.3,-0.63 1.3,0.63, height 0.25
LM2902Q4T-Footprint-1 [mm]
  rrect25% 0.84x0.26 smd: 1(-1.435,0.75) 2(-1.435,0.25) 3(-1.435,-0.25) 4(-1.435,-0.75) 9(1.435,-0.75) 10(1.435,-0.25) 11(1.435,0.25) 12(1.435,0.75)
  rrect25% 0.26x0.84 smd: 5(-0.75,-1.435) 6(-0.25,-1.435) 7(0.25,-1.435) 8(0.75,-1.435) 13(0.75,1.435) 14(0.25,1.435) 15(-0.25,1.435) 16(-0.75,1.435)
  silkscreen extent -2.09,-1.5 1.5,2.1
MOLX-47219-2001-8_V [mm] "CONN, 8-Leads, Body 14.5x13.6mm, Pitch 1.1mm"
  rect 0.8x1.5 smd: 1(-3.205,1.55) 2(-2.105,1.55) 3(-1.005,1.55) 4(0.095,1.55) 5(1.195,1.55) 6(2.295,1.55) 7(3.395,1.55) 8(4.495,1.55)
  rect 1.45x2 smd: 9(6.875,4.15) 10(6.875,-4.15) 11(-6.875,-4.15) 12(-6.875,4.15)
  silkscreen extent -6.8,-7.8 6.8,7.42, body extent -7.3,-7.79 7.3,6.71, height 1.91
RESC1608X55X30LL15T15 [mm] "Chip Resistor, 2-Leads, Body 1.75x0.95mm, IPC High Density"
  rect 0.75x0.85 smd: 1(-0.65,0) 2(0.65,0)
  body extent -0.87,-0.48 0.87,0.48, height 0.55
RESC1608X55X30ML15T15 [mm] "Chip Resistor, 2-Leads, Body 1.60x0.80mm, IPC Low Density"
  rect 0.9x1.05 smd: 1(-0.725,0) 2(0.725,0)
  body extent -0.87,-0.48 0.87,0.48, height 0.55
RESC1608X55X30NL15T15 [mm] "Chip Resistor, 2-Leads, Body 1.60x0.80mm, IPC Medium Density"
  rect 0.8x0.95 smd: 1(-0.675,0) 2(0.675,0)
  body extent -0.87,-0.48 0.87,0.48, height 0.55
RESC1608X55X30NL20T20 [mm] "Chip Resistor, 2-Leads, Body 1.60x0.80mm, IPC Medium Density"
  rect 0.9x1 smd: 1(-0.65,0) 2(0.65,0)
  body extent -0.9,-0.5 0.9,0.5, height 0.55
RESC1609X55X30LL15T15 [mm] "Chip Resistor, 2-Leads, Body 1.75x0.95mm, IPC High Density"
  rect 0.75x0.85 smd: 1(-0.65,0) 2(0.65,0)
  body extent -0.87,-0.48 0.87,0.48, height 0.55
RESC1609X55X30ML15T15 [mm] "Chip Resistor, 2-Leads, Body 1.75x0.95mm, IPC Low Density"
  rect 1.15x1.05 smd: 1(-0.85,0) 2(0.85,0)
  body extent -0.87,-0.48 0.87,0.48, height 0.55
SFML-110-02-L-D-A-Footprint-1 [mm]
  rect 0.74x2.22 smd: 01(-5.715,1.365) 02(-5.715,-1.365) 03(-4.445,1.365) 04(-4.445,-1.365) 05(-3.175,1.365) 06(-3.175,-1.365) 07(-1.905,1.365) 08(-1.905,-1.365) 09(-0.635,1.365) 10(-0.635,-1.365) 11(0.635,1.365) 12(0.635,-1.365) 13(1.905,1.365) 14(1.905,-1.365) 15(3.175,1.365) 16(3.175,-1.365) 17(4.445,1.365) 18(4.445,-1.365) 19(5.715,1.365) 20(5.715,-1.365)
  round 1.4 hole 1.4 unplated: ""(-7.305,0) ""(7.305,0)
  silkscreen extent -6.54,-1.53 6.54,3.17
SISH615ADN-T1-GE3-Footprint-1 [mm]
  rect 0.35x0.5 smd paste+0 mask+0: 1(-0.937,-1.4) 2(-0.288,-1.4) 3(0.363,-1.4) 4(1.012,-1.4)
  round 1.769 smd paste+0 mask+0: 5-6-7-8(0,0.367)
  Top Layer region: -1.187,-0.63 -1.187,-0.215 -1.568,-0.215 -1.568,0.215 -1.187,0.215 -1.187,1.35 -1.137,1.35 -1.137,1.65 -0.737,1.65 -0.737,1.35 -0.487,1.35 -0.487,1.65 -0.088,1.65 -0.088,1.35 0.163,1.35 0.163,1.65 0.563,1.65 0.563,1.35 0.813,1.35 0.813,1.65 1.212,1.65 1.212,1.35 1.262,1.35 1.262,0.215 1.643,0.215 1.643,-0.215 1.262,-0.215 1.262,-0.63
  silkscreen extent -1.51,-2.38 1.59,-1.01, body extent -1.67,-1.75 1.74,1.75, height 0.25
SOT-23-OT5_M [mm] "SOT23, 5-Leads, Body 2.9x1.7mm, Pitch 0.95mm, Lead Span 2.8mm, IPC Low Density"
  rect 1.3x0.7 smd: 1(-1.2,0.95) 2(-1.2,0) 3(-1.2,-0.95) 4(1.2,-0.95) 5(1.2,0.95)
  silkscreen extent -1.33,-1.55 0.15,1.97, body extent -0.9,-1.55 0.9,1.55, height 1.45
STM32H733VGT6-Footprint-1 [mm]
  rect 1.2x0.3 smd: 1(-7.75,6) 2(-7.75,5.5) 3(-7.75,5) 4(-7.75,4.5) 5(-7.75,4) 6(-7.75,3.5) 7(-7.75,3) 8(-7.75,2.5) 9(-7.75,2) 10(-7.75,1.5) 11(-7.75,1) 12(-7.75,0.5) 13(-7.75,0) 14(-7.75,-0.5) 15(-7.75,-1) 16(-7.75,-1.5) 17(-7.75,-2) 18(-7.75,-2.5) 19(-7.75,-3) 20(-7.75,-3.5) 21(-7.75,-4) 22(-7.75,-4.5) 23(-7.75,-5) 24(-7.75,-5.5) 25(-7.75,-6) 51(7.75,-6) 52(7.75,-5.5) 53(7.75,-5) 54(7.75,-4.5) 55(7.75,-4) 56(7.75,-3.5) 57(7.75,-3) 58(7.75,-2.5) 59(7.75,-2) 60(7.75,-1.5) 61(7.75,-1) 62(7.75,-0.5) 63(7.75,0) 64(7.75,0.5) 65(7.75,1) 66(7.75,1.5) 67(7.75,2) 68(7.75,2.5) 69(7.75,3) 70(7.75,3.5) 71(7.75,4) 72(7.75,4.5) 73(7.75,5) 74(7.75,5.5) 75(7.75,6)
  rect 0.3x1.2 smd: 26(-5.975,-7.75) 27(-5.475,-7.75) 28(-4.975,-7.75) 29(-4.475,-7.75) 30(-3.975,-7.75) 31(-3.475,-7.75) 32(-2.975,-7.75) 33(-2.475,-7.75) 34(-1.975,-7.75) 35(-1.475,-7.75) 36(-0.975,-7.75) 37(-0.475,-7.75) 38(0.025,-7.75) 39(0.525,-7.75) 40(1.025,-7.75) 41(1.525,-7.75) 42(2.025,-7.75) 43(2.525,-7.75) 44(3.025,-7.75) 45(3.525,-7.75) 46(4.025,-7.75) 47(4.525,-7.75) 48(5.025,-7.75) 49(5.525,-7.75) 50(6.025,-7.75) 76(6.025,7.75) 77(5.525,7.75) 78(5.025,7.75) 79(4.525,7.75) 80(4.025,7.75) 81(3.525,7.75) 82(3.025,7.75) 83(2.525,7.75) 84(2.025,7.75) 85(1.525,7.75) 86(1.025,7.75) 87(0.525,7.75) 88(0.025,7.75) 89(-0.475,7.75) 90(-0.975,7.75) 91(-1.475,7.75) 92(-1.975,7.75) 93(-2.475,7.75) 94(-2.975,7.75) 95(-3.475,7.75) 96(-3.975,7.75) 97(-4.475,7.75) 98(-4.975,7.75) 99(-5.475,7.75) 100(-5.975,7.75)
  round 1 on Bottom Overlay: ""(-5.5,5.55)
TFML-110-02-L-D-A-Footprint-1 [mm]
  rect 0.74x2.92 smd: 01(-5.715,-1.715) 02(-5.715,1.715) 03(-4.445,-1.715) 04(-4.445,1.715) 05(-3.175,-1.715) 06(-3.175,1.715) 07(-1.905,-1.715) 08(-1.905,1.715) 09(-0.635,-1.715) 10(-0.635,1.715) 11(0.635,-1.715) 12(0.635,1.715) 13(1.905,-1.715) 14(1.905,1.715) 15(3.175,-1.715) 16(3.175,1.715) 17(4.445,-1.715) 18(4.445,1.715) 19(5.715,-1.715) 20(5.715,1.715)
  round 1.4 hole 1.4 unplated: ""(-7.305,0) ""(7.305,0)
  silkscreen extent -7.94,-3.8 7.94,2.86
TP06R#1 [mm] "Testpoint, round, d=0.6mm"
  round 0.6 smd paste-1: 1(0,0)
TP06R#2 [mm] "Testpoint, round, d=0.6mm"
  round 0.6 smd paste-1: 1(0,-0.062)
TP06R#3 [mm] "Testpoint, round, d=0.6mm"
  round 0.6 smd paste-1: 1(0,0.138)
TP06R#4 [mm] "Testpoint, round, d=0.6mm"
  round 0.6 smd paste-1: 1(0,-12.875)
TP06R#5 [mm] "Testpoint, round, d=0.6mm"
  round 0.6 smd paste-1: 1(0,-14.225)
TP06R#6 [mm] "Testpoint, round, d=0.6mm"
  round 0.6 smd paste-1: 1(0,-0.15)
TP06R#7 [mm] "Testpoint, round, d=0.6mm"
  round 0.6 smd paste-1: 1(0,-26.238)
TS4148RCG-Footprint-1 [mm]
  rect 0.55x0.9 smd: A(0.6,0) C(-0.6,0)
  silkscreen extent -1.85,-0.1 -1.65,0.1
WL-SBCD_0606 [mm] "SMT Bi-color Chip LED Diffuesed, body 1.5x1.6mm"
  rect 0.5x0.8 smd: 1(-0.45,0.8) 2(-0.45,-0.8) 3(0.45,-0.8) 4(0.45,0.8)
  silkscreen extent -0.07,1.48 0.07,1.63, body extent -0.75,-0.8 0.75,0.8, height 0.55